# Altium PCB CONTROLLER_BASE.PcbDoc (part 3 of 7) (continued)
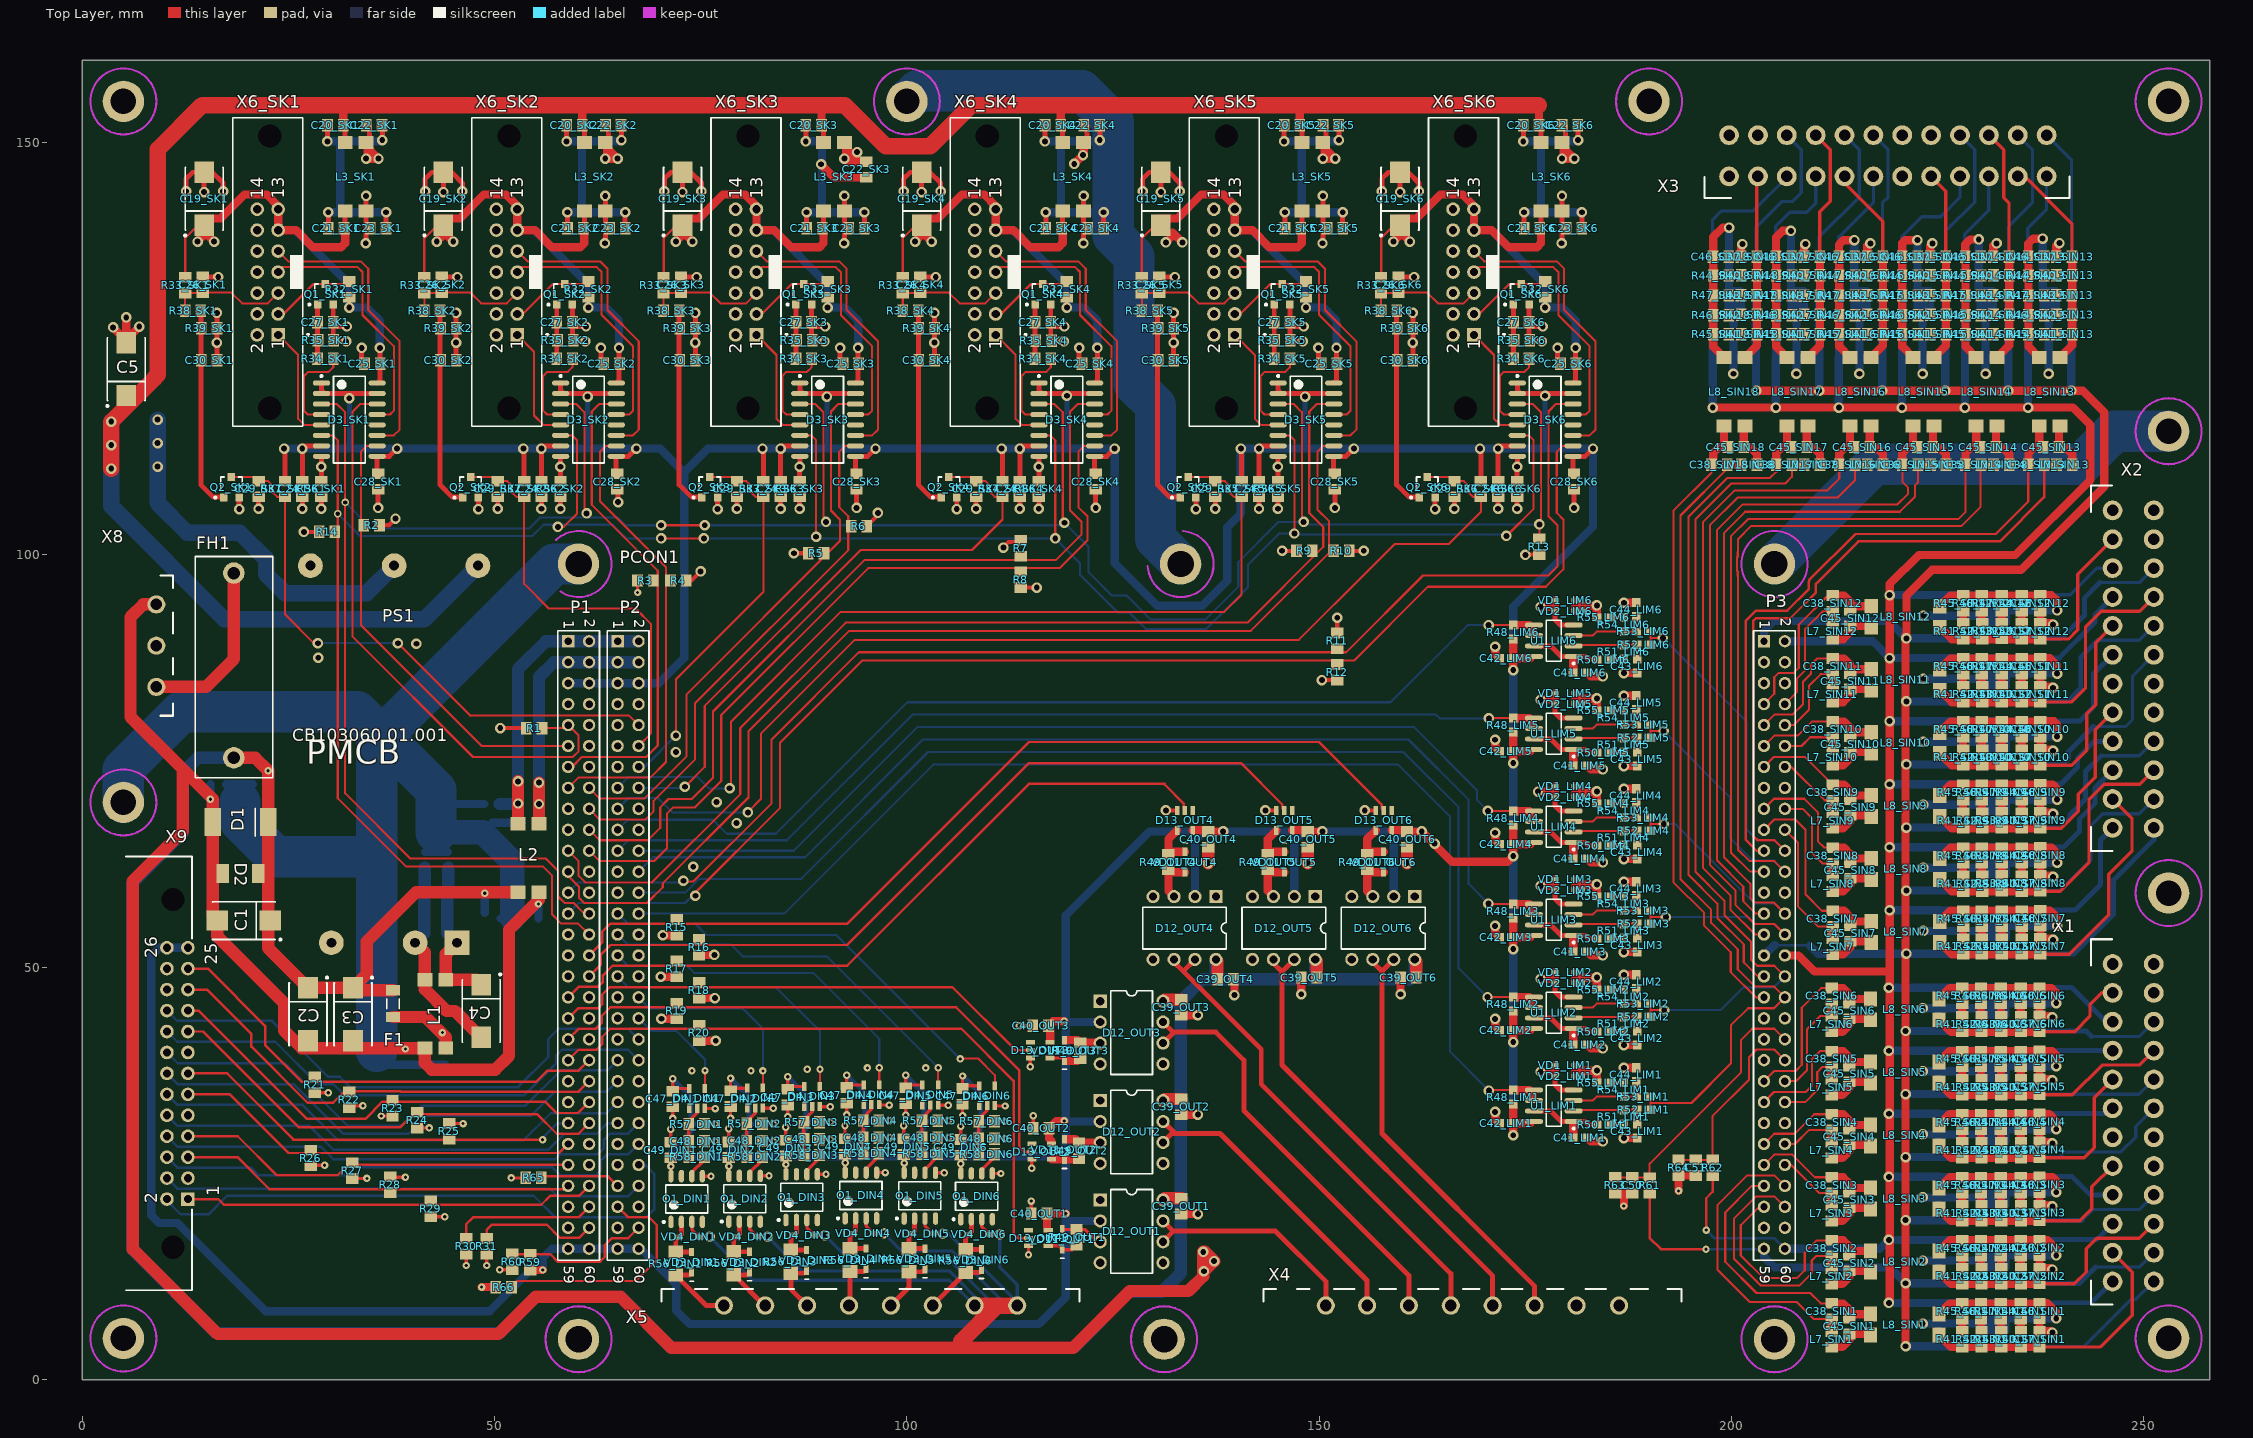
[diagram p0: Top Layer view]
## Components (designator, comment, footprint, x,y, rotation, side; value= is the part's Value field where it differs from the comment) (continued)
R51_LIM3 "Rsize" "SMD RES 0603" 186.93,54.42 r90 top (schematic designator R51)
R51_LIM4 "Rsize" "SMD RES 0603" 186.93,65.698 r90 top (schematic designator R51)
R51_LIM5 "Rsize" "SMD RES 0603" 186.93,76.976 r90 top (schematic designator R51)
R51_LIM6 "Rsize" "SMD RES 0603" 186.93,88.253 r90 top (schematic designator R51)
R52_LIM1 "Rsize" "SMD RES 0603" 189.369,32.729 r0 top (schematic designator R52)
R52_LIM2 "Rsize" "SMD RES 0603" 189.369,44.006 r0 top (schematic designator R52)
R52_LIM3 "Rsize" "SMD RES 0603" 189.369,55.284 r0 top (schematic designator R52)
R52_LIM4 "Rsize" "SMD RES 0603" 189.369,66.562 r0 top (schematic designator R52)
R52_LIM5 "Rsize" "SMD RES 0603" 189.369,77.839 r0 top (schematic designator R52)
R52_LIM6 "Rsize" "SMD RES 0603" 189.369,89.117 r0 top (schematic designator R52)
R53_LIM1 "Rsize" "SMD RES 0603" 189.318,34.329 r180 top (schematic designator R53)
R53_LIM2 "Rsize" "SMD RES 0603" 189.318,45.607 r180 top (schematic designator R53)
R53_LIM3 "Rsize" "SMD RES 0603" 189.318,56.884 r180 top (schematic designator R53)
R53_LIM4 "Rsize" "SMD RES 0603" 189.318,68.162 r180 top (schematic designator R53)
R53_LIM5 "Rsize" "SMD RES 0603" 189.318,79.439 r180 top (schematic designator R53)
R53_LIM6 "Rsize" "SMD RES 0603" 189.318,90.717 r180 top (schematic designator R53)
R54_LIM1 "Rsize" "SMD RES 0603" 186.956,35.167 r90 top (schematic designator R54)
R54_LIM2 "Rsize" "SMD RES 0603" 186.956,46.445 r90 top (schematic designator R54)
R54_LIM3 "Rsize" "SMD RES 0603" 186.956,57.722 r90 top (schematic designator R54)
R54_LIM4 "Rsize" "SMD RES 0603" 186.956,69 r90 top (schematic designator R54)
R54_LIM5 "Rsize" "SMD RES 0603" 186.956,80.278 r90 top (schematic designator R54)
R54_LIM6 "Rsize" "SMD RES 0603" 186.956,91.555 r90 top (schematic designator R54)
R55_LIM1 "Rsize" "SMD RES 0603" 184.517,36.031 r180 top (schematic designator R55)
R55_LIM2 "Rsize" "SMD RES 0603" 184.517,47.308 r180 top (schematic designator R55)
R55_LIM3 "Rsize" "SMD RES 0603" 184.517,58.586 r180 top (schematic designator R55)
R55_LIM4 "Rsize" "SMD RES 0603" 184.517,69.864 r180 top (schematic designator R55)
R55_LIM5 "Rsize" "SMD RES 0603" 184.517,81.141 r180 top (schematic designator R55)
R55_LIM6 "Rsize" "SMD RES 0603" 184.517,92.419 r180 top (schematic designator R55)
R56_DIN1 "Rsize" "SMD RES 1206" 71.984,14.077 r270 top (schematic designator R56)
R56_DIN2 "Rsize" "SMD RES 1206" 79.012,14.11 r270 top (schematic designator R56)
R56_DIN3 "Rsize" "SMD RES 1206" 85.928,14.306 r270 top (schematic designator R56)
R56_DIN4 "Rsize" "SMD RES 1206" 93.111,14.503 r270 top (schematic designator R56)
R56_DIN5 "Rsize" "SMD RES 1206" 100.254,14.483 r270 top (schematic designator R56)
R56_DIN6 "Rsize" "SMD RES 1206" 107.137,14.396 r270 top (schematic designator R56)
R57_DIN1 "Rsize" "SMD RES 0805" 74.524,30.993 r180 top (schematic designator R57)
R57_DIN2 "Rsize" "SMD RES 0805" 81.552,31.026 r180 top (schematic designator R57)
R57_DIN3 "Rsize" "SMD RES 0805" 88.468,31.222 r180 top (schematic designator R57)
R57_DIN4 "Rsize" "SMD RES 0805" 95.651,31.42 r180 top (schematic designator R57)
R57_DIN5 "Rsize" "SMD RES 0805" 102.794,31.4 r180 top (schematic designator R57)
R57_DIN6 "Rsize" "SMD RES 0805" 109.677,31.313 r180 top (schematic designator R57)
R58_DIN1 "Rsize" "SMD RES 0805" 74.524,27.006 r180 top (schematic designator R58)
R58_DIN2 "Rsize" "SMD RES 0805" 81.552,27.038 r180 top (schematic designator R58)
R58_DIN3 "Rsize" "SMD RES 0805" 88.468,27.234 r180 top (schematic designator R58)
R58_DIN4 "Rsize" "SMD RES 0805" 95.651,27.432 r180 top (schematic designator R58)
R58_DIN5 "Rsize" "SMD RES 0805" 102.794,27.412 r180 top (schematic designator R58)
R58_DIN6 "Rsize" "SMD RES 0805" 109.677,27.325 r180 top (schematic designator R58)
R59 "Rsize" "SMD RES 0805" 54.331,14.249 r270 top
R60 "Rsize" "SMD RES 0805" 52.146,14.275 r90 top
R61 "Rsize" "SMD RES 0805" 190.068,23.546 r270 top
R62 "Rsize" "SMD RES 0805" 197.714,25.705 r270 top
R63 "Rsize" "SMD RES 0805" 185.903,23.597 r270 top
R64 "Rsize" "SMD RES 0805" 193.573,25.705 r270 top
R65 "Rsize" "SMD RES 0805" 54.737,24.46 r180 top
R66 "Rsize" "SMD RES 0805" 51.105,11.227 r180 top
U1_LIM1 "MC33161D" 751-05_N 178.447,33.211 r180 top (schematic designator U1)
U1_LIM2 "MC33161D" 751-05_N 178.447,44.489 r180 top (schematic designator U1)
U1_LIM3 "MC33161D" 751-05_N 178.447,55.767 r180 top (schematic designator U1)
U1_LIM4 "MC33161D" 751-05_N 178.447,67.044 r180 top (schematic designator U1)
U1_LIM5 "MC33161D" 751-05_N 178.447,78.322 r180 top (schematic designator U1)
U1_LIM6 "MC33161D" 751-05_N 178.447,89.599 r180 top (schematic designator U1)
VD1_LIM1 "Shottky Diod" BAT-2pin 179.844,38.114 r180 top (schematic designator VD1)
VD1_LIM2 "Shottky Diod" BAT-2pin 179.844,49.391 r180 top (schematic designator VD1)
VD1_LIM3 "Shottky Diod" BAT-2pin 179.844,60.669 r180 top (schematic designator VD1)
VD1_LIM4 "Shottky Diod" BAT-2pin 179.844,71.946 r180 top (schematic designator VD1)
VD1_LIM5 "Shottky Diod" BAT-2pin 179.844,83.224 r180 top (schematic designator VD1)
VD1_LIM6 "Shottky Diod" BAT-2pin 179.844,94.502 r180 top (schematic designator VD1)
VD2_LIM1 "Shottky Diod" BAT-2pin 179.844,36.793 r0 top (schematic designator VD2)
VD2_LIM2 "Shottky Diod" BAT-2pin 179.844,48.07 r0 top (schematic designator VD2)
VD2_LIM3 "Shottky Diod" BAT-2pin 179.844,59.348 r0 top (schematic designator VD2)
VD2_LIM4 "Shottky Diod" BAT-2pin 179.844,70.626 r0 top (schematic designator VD2)
VD2_LIM5 "Shottky Diod" BAT-2pin 179.844,81.903 r0 top (schematic designator VD2)
VD2_LIM6 "Shottky Diod" BAT-2pin 179.844,93.181 r0 top (schematic designator VD2)
VD3_DIN1 "Shottky Diod" BAT-2pin 73.914,14.229 r270 top (schematic designator VD3)
VD3_DIN2 "Shottky Diod" BAT-2pin 80.943,14.262 r270 top (schematic designator VD3)
VD3_DIN3 "Shottky Diod" BAT-2pin 87.859,14.458 r270 top (schematic designator VD3)
VD3_DIN4 "Shottky Diod" BAT-2pin 95.041,14.656 r270 top (schematic designator VD3)
VD3_DIN5 "Shottky Diod" BAT-2pin 102.184,14.636 r270 top (schematic designator VD3)
VD3_DIN6 "Shottky Diod" BAT-2pin 109.068,14.549 r270 top (schematic designator VD3)
VD4_DIN1 "Shottky Diod" BAT-2pin 73.584,17.303 r180 top (schematic designator VD4)
VD4_DIN2 "Shottky Diod" BAT-2pin 80.612,17.335 r180 top (schematic designator VD4)
VD4_DIN3 "Shottky Diod" BAT-2pin 87.528,17.531 r180 top (schematic designator VD4)
VD4_DIN4 "Shottky Diod" BAT-2pin 94.711,17.729 r180 top (schematic designator VD4)
VD4_DIN5 "Shottky Diod" BAT-2pin 101.854,17.709 r180 top (schematic designator VD4)
VD4_DIN6 "Shottky Diod" BAT-2pin 108.737,17.622 r180 top (schematic designator VD4)
VD11_OUT1 "Shottky Diod" BAT-2pin 118.847,17.018 r270 top (schematic designator VD11)
VD11_OUT2 "Shottky Diod" BAT-2pin 119.101,27.889 r270 top (schematic designator VD11)
VD11_OUT3 "Shottky Diod" BAT-2pin 119.101,39.903 r270 top (schematic designator VD11)
VD11_OUT4 "Shottky Diod" BAT-2pin 133.72,62.762 r90 top (schematic designator VD11)
VD11_OUT5 "Shottky Diod" BAT-2pin 145.77,62.762 r90 top (schematic designator VD11)
VD11_OUT6 "Shottky Diod" BAT-2pin 157.82,62.762 r90 top (schematic designator VD11)
X1 "WAGOMIDI24Pin" WAGO_734_2x12 246.2,11.9 r90 top
X2 "WAGOMIDI24Pin" WAGO_734_2x12 246.2,66.9 r90 top
X3 "WAGOMIDI24Pin" WAGO_734_2x12 238.2,145.9 r180 top
X4 "MSTBA 8 pin connector" "MSTBA 2,5 8 pin" 150.8,8.992 r0 top
X5 "MSTBA 8 pin connector" "MSTBA 2,5 8 pin" 77.826,8.992 r0 top
X6_SK1 "IDC 14 pin" IDC2.54-V14A 22.5,134.3 r90 top (schematic designator X6)
X6_SK2 "IDC 14 pin" IDC2.54-V14A 51.5,134.3 r90 top (schematic designator X6)
X6_SK3 "IDC 14 pin" IDC2.54-V14A 80.5,134.3 r90 top (schematic designator X6)
X6_SK4 "IDC 14 pin" IDC2.54-V14A 109.5,134.3 r90 top (schematic designator X6)
X6_SK5 "IDC 14 pin" IDC2.54-V14A 138.5,134.3 r90 top (schematic designator X6)
X6_SK6 "IDC 14 pin" IDC2.54-V14A 167.5,134.3 r90 top (schematic designator X6)
X8 "MSTBA 3 pin connector" "MSTBA 2,5 3pin" 9,94 r270 top
X9 "IDC 26pin" IDC2.54-H26 11.557,37.135 r90 top

## Footprints (in the part's own frame and the unit in brackets; to place one, negate y for a bottom-side part, rotate by r counter-clockwise, add the part's x,y. Pads: shape width x height; smd on the part's side, far side on the other; paste and mask are expansions set on the pad)
318-08 [mm] "SOT-23; 3 Leads; Body 3.0 x 2.6 mm, inc. leads (LxW max)"
  rect 0.9x0.95 smd: 1(-0.95,-1.25) 2(0.95,-1.25) 3(0,1.25)
  silkscreen extent -2.07,-1.37 1.3,1.25
751-05_N [mm] "SOIC, 8-Leads, Body 4.9x3.9mm, Pitch 1.27mm, IPC Medium Density"
  oval 2.2x0.6 smd: 1(-2.4,1.905) 2(-2.4,0.635) 3(-2.4,-0.635) 4(-2.4,-1.905) 5(2.4,-1.905) 6(2.4,-0.635) 7(2.4,0.635) 8(2.4,1.905)
  silkscreen extent -2.53,-2.5 0.9,2.88, body extent -1.95,-2.45 1.95,2.45, height 1.75
BAT-2pin [mm]
  rect 1x0.6 smd: 1(-1.25,0) 2(1.25,0)
  silkscreen extent 2.29,-0.25 2.29,0.25, body extent -1.5,-0.4 1.4,0.4, height 0.5
D [mm] "Capacitor, SM Tantalum; Body 7.3 x 4.3 mm (LxW typ)"
  rect 2.6x2.4 smd: 1(-3.2,0) 2(3.2,0)
  silkscreen extent -4.58,-2.3 3.8,2.42, body extent -3.8,-2.3 3.8,2.3, height 3.15
"EMIF CPFC74NP" [mm]
  rect 1.6x1.8 smd: 1(0,0) 2(0,2.54) 3(8.3,2.54) 4(8.3,0)
  body extent -0.5,-1.45 8.5,4.05, height 5
"FuseHolder 6.3A 220V" [mm]
  round 2.6 hole 1.5: 1(0,0) 2(22.4,0)
  silkscreen extent -2.01,-4.7 24.82,4.7, body extent -1.52,-4.83 23.88,4.83, height 10.8
IDC2.54-H26 [mm] "Connector; IDC, Thru-Hole; 26 Position; Right Angle; Pitch 2.54 mm; Body 52.60 x 8.5 x 25.75 mm (LxHxW), Locking levers"
  rect 1.65x1.65 hole 1: 1(-15.24,-1.27)
  round 1.65 hole 1: 2(-15.24,1.27) 3(-12.7,-1.27) 4(-12.7,1.27) 5(-10.16,-1.27) 6(-10.16,1.27) 7(-7.62,-1.27) 8(-7.62,1.27) 9(-5.08,-1.27) 10(-5.08,1.27) 11(-2.54,-1.27) 12(-2.54,1.27) 13(0,-1.27) 14(0,1.27) 15(2.54,-1.27) 16(2.54,1.27) 17(5.08,-1.27) 18(5.08,1.27) 19(7.62,-1.27) 20(7.62,1.27) 21(10.16,-1.27) 22(10.16,1.27) 23(12.7,-1.27) 24(12.7,1.27) 25(15.24,-1.27) 26(15.24,1.27)
  round 2.5 hole 2.8 unplated: MH1(-21.08,0.53) MH2(21.08,0.53)
  silkscreen extent -26.3,-1.77 26.3,6.23, body extent -26.3,-1.77 26.3,15.54, height 8.5
IDC2.54-V14A [mm] "Connector; IDC, Thru-Hole; 14 Position; Vertical; Pitch 2.54 mm; Body 37.40 x 8.5 x 17.30 mm (LxWxH), Without locking levers"
  rect 1.65x1.65 hole 1: 1(-7.62,-1.27)
  round 1.65 hole 1: 2(-7.62,1.27) 3(-5.08,-1.27) 4(-5.08,1.27) 5(-2.54,-1.27) 6(-2.54,1.27) 7(0,-1.27) 8(0,1.27) 9(2.54,-1.27) 10(2.54,1.27) 11(5.08,-1.27) 12(5.08,1.27) 13(7.62,-1.27) 14(7.62,1.27)
  round 2.5 hole 2.8 unplated: MH1(-16.51,-0.25) MH2(16.51,-0.25)
  silkscreen extent -18.7,-5.02 18.7,4.25, body extent -18.7,-4.25 18.7,4.25, height 17.3
"MSTBA 2,5 3pin" [mm]
  round 2.2 hole 1.4: 1(0,0) 2(5,0) 3(10,0)
  silkscreen extent -3.5,0.5 13.5,2, body extent -5.55,-9.93 15.51,2.07, height 8.6
"MSTBA 2,5 8 pin" [mm] "8 pin contactor MSTBA"
  round 2.2 hole 1.4: 1(0,0) 2(5,0) 3(10.08,0) 4(15.16,0) 5(20.24,0) 6(25.32,0) 7(30.4,0) 8(35.56,0)
  silkscreen extent -7.56,0.5 43.12,2, body extent -7.62,-9.97 43.13,2.03, height 8.79
"PCON MINI" [mm] "PowerCon installation pad"
  round 5 hole 3.2: 0(0,0) 0(0,94) 0(71,0) 0(73,94) 0(145,0) 0(145,94)
  rect 1.5x1.5 hole 0.9: P1_1(-1.27,84.634) P2_1(4.73,84.634) P3_1(143.73,84.634)
  round 1.5 hole 0.9: P1_2(1.27,84.634) P1_3(-1.27,82.094) P1_4(1.27,82.094) P1_5(-1.27,79.554) P1_6(1.27,79.554) P1_7(-1.27,77.014) P1_8(1.27,77.014) P1_9(-1.27,74.474) P1_10(1.27,74.474) P1_11(-1.27,71.934) P1_12(1.27,71.934) P1_13(-1.27,69.394) P1_14(1.27,69.394) P1_15(-1.27,66.854) P1_16(1.27,66.854) P1_17(-1.27,64.314) P1_18(1.27,64.314) P1_19(-1.27,61.774) P1_20(1.27,61.774) P1_21(-1.27,59.234) P1_22(1.27,59.234) P1_23(-1.27,56.694) P1_24(1.27,56.694) P1_25(-1.27,54.154) P1_26(1.27,54.154) P1_27(-1.27,51.614) P1_28(1.27,51.614) P1_29(-1.27,49.074) P1_30(1.27,49.074) P1_31(-1.27,46.534) P1_32(1.27,46.534) P1_33(-1.27,43.994) P1_34(1.27,43.994) P1_35(-1.27,41.454) P1_36(1.27,41.454) P1_37(-1.27,38.914) P1_38(1.27,38.914) P1_39(-1.27,36.374) P1_40(1.27,36.374) P1_41(-1.27,33.834) P1_42(1.27,33.834) P1_43(-1.27,31.294) P1_44(1.27,31.294) P1_45(-1.27,28.754) P1_46(1.27,28.754) P1_47(-1.27,26.214) P1_48(1.27,26.214) P1_49(-1.27,23.674) P1_50(1.27,23.674) P1_51(-1.27,21.134) P1_52(1.27,21.134) P1_53(-1.27,18.594) P1_54(1.27,18.594) P1_55(-1.27,16.054) P1_56(1.27,16.054) P1_57(-1.27,13.514) P1_58(1.27,13.514) P1_59(-1.27,10.974) P1_60(1.27,10.974) P2_2(7.27,84.634) P2_3(4.73,82.094) P2_4(7.27,82.094) P2_5(4.73,79.554) P2_6(7.27,79.554) P2_7(4.73,77.014) P2_8(7.27,77.014) P2_9(4.73,74.474) P2_10(7.27,74.474) P2_11(4.73,71.934) P2_12(7.27,71.934) P2_13(4.73,69.394) P2_14(7.27,69.394) P2_15(4.73,66.854) P2_16(7.27,66.854) P2_17(4.73,64.314) P2_18(7.27,64.314) P2_19(4.73,61.774) P2_20(7.27,61.774) P2_21(4.73,59.234) P2_22(7.27,59.234) P2_23(4.73,56.694) P2_24(7.27,56.694) P2_25(4.73,54.154) P2_26(7.27,54.154) P2_27(4.73,51.614) P2_28(7.27,51.614) P2_29(4.73,49.074) P2_30(7.27,49.074) P2_31(4.73,46.534) P2_32(7.27,46.534) P2_33(4.73,43.994) P2_34(7.27,43.994) P2_35(4.73,41.454) P2_36(7.27,41.454) P2_37(4.73,38.914) P2_38(7.27,38.914) P2_39(4.73,36.374) P2_40(7.27,36.374) P2_41(4.73,33.834) P2_42(7.27,33.834) P2_43(4.73,31.294) P2_44(7.27,31.294) P2_45(4.73,28.754) P2_46(7.27,28.754) P2_47(4.73,26.214) P2_48(7.27,26.214) P2_49(4.73,23.674) P2_50(7.27,23.674) P2_51(4.73,21.134) P2_52(7.27,21.134) P2_53(4.73,18.594) P2_54(7.27,18.594) P2_55(4.73,16.054) P2_56(7.27,16.054) P2_57(4.73,13.514) P2_58(7.27,13.514) P2_59(4.73,10.974) P2_60(7.27,10.974) P3_2(146.27,84.634) P3_3(143.73,82.094) P3_4(146.27,82.094) P3_5(143.73,79.554) P3_6(146.27,79.554) P3_7(143.73,77.014) P3_8(146.27,77.014) P3_9(143.73,74.474) P3_10(146.27,74.474) P3_11(143.73,71.934) P3_12(146.27,71.934) P3_13(143.73,69.394) P3_14(146.27,69.394) P3_15(143.73,66.854) P3_16(146.27,66.854) P3_17(143.73,64.314) P3_18(146.27,64.314) P3_19(143.73,61.774) P3_20(146.27,61.774) P3_21(143.73,59.234) P3_22(146.27,59.234) P3_23(143.73,56.694) P3_24(146.27,56.694) P3_25(143.73,54.154) P3_26(146.27,54.154) P3_27(143.73,51.614) P3_28(146.27,51.614) P3_29(143.73,49.074) P3_30(146.27,49.074) P3_31(143.73,46.534) P3_32(146.27,46.534) P3_33(143.73,43.994) P3_34(146.27,43.994) P3_35(143.73,41.454) P3_36(146.27,41.454) P3_37(143.73,38.914) P3_38(146.27,38.914) P3_39(143.73,36.374) P3_40(146.27,36.374) P3_41(143.73,33.834) P3_42(146.27,33.834) P3_43(143.73,31.294) P3_44(146.27,31.294) P3_45(143.73,28.754) P3_46(146.27,28.754) P3_47(143.73,26.214) P3_48(146.27,26.214) P3_49(143.73,23.674) P3_50(146.27,23.674) P3_51(143.73,21.134) P3_52(146.27,21.134) P3_53(143.73,18.594) P3_54(146.27,18.594) P3_55(143.73,16.054) P3_56(146.27,16.054) P3_57(143.73,13.514) P3_58(146.27,13.514) P3_59(143.73,10.974) P3_60(146.27,10.974)
  silkscreen extent -2.54,9.57 147.54,85.9, body extent -5,-7.89 150,99, height 33.97
R1206 [mm] "Chip Resistor, 2-Leads, Body 3,1x1,6mm, IPC Medium Density"
  rect 1.25x1.75 smd: 1(-1.625,0) 2(1.625,0)
  silkscreen extent -0.6,-0.77 0.6,0.77, body extent -1.6,-0.85 1.6,0.85, height 0.55
"SMB TVS" [mm]
  rect 1.52x2.3 smd: 1(-2.135,0) 2(2.135,0)
  body extent -2.7,-1.8 2.7,1.8, height 2.3
"SMC DIODE" [mm]
  rect 2x3.4 smd: A(-3.35,0) K(3.35,0)
  silkscreen extent 1.8,-1.7 1.8,1.7, body extent -3.5,-3.1 3.6,3.1, height 2.63
"SMD CAP 0603" [mm] "Chip Capacitor; Body 1.6 x 0.8 mm (LxW typ)"
  rect 1.1x1 smd: 1(-0.85,0) 2(0.85,0)
  body extent -0.83,-0.43 0.83,0.43, height 0.47
"SMD CAP 0805" [mm] "Chip Capacitor; Body 2.0 x 1.2 mm (LxW typ)"
  rect 1.3x1.5 smd: 1(-0.95,0) 2(0.95,0)
  body extent -1.2,-0.65 1.2,0.65, height 0.9
"SMD CAP 1206" [mm] "Chip Capacitor; Body 3.2 x 1.6 mm (LxW typ)"
  rect 1.6x1.8 smd: 1(-1.4,0) 2(1.4,0)
  body extent -1.55,-0.8 1.55,0.8, height 0.55
"SMD IND 0805" [mm] "Chip Capacitor; Body 2.0 x 1.2 mm (LxW typ)"
  rect 1.3x1.5 smd: 1(-0.95,0) 2(0.95,0)
  body extent -1,-0.76 1,0.75, height 1.7
"SMD RES 0603" [mm] "Chip Capacitor; Body 1.6 x 0.8 mm (LxW typ)"
  rect 1.1x1 smd: 1(-0.85,0) 2(0.85,0)
  body extent -0.81,-0.41 0.81,0.41, height 0.47
"SMD RES 0805" [mm] "Chip Capacitor; Body 2.0 x 1.2 mm (LxW typ)"
  rect 1.3x1.5 smd: 1(-0.95,0) 2(0.95,0)
  body extent -1,-0.6 1,0.7, height 0.5
"SMD RES 1206" [mm] "Chip Capacitor; Body 3.2 x 1.6 mm (LxW typ)"
  rect 1.6x1.8 smd: 1(-1.4,0) 2(1.4,0)
  body extent -1.55,-0.8 1.55,0.8, height 0.55
SOIC127P590X363-8N [mm] "HCPL0453 SOIC, 8-Leads, Body 4,88x3,91mm, Pitch 1,27mm, IPC Medium Density"
  oval 1.52x0.65 smd: 1(0,0) 2(0,-1.27) 3(0,-2.54) 4(0,-3.81) 5(5.55,-3.81) 6(5.55,-2.54) 7(5.55,-1.27) 8(5.55,0)
  silkscreen extent -0.12,-4.45 4.47,1, body extent 0.67,-4.45 4.87,0.64, height 3.63
SOIC127P780X120-16N [mm] "SOIC, 16-Leads, Body 10,5x5,6mm (max), Pitch 1,27mm, IPC Medium Density"
  oval 2.1x0.6 smd: 1(-3.375,4.445) 2(-3.375,3.175) 3(-3.375,1.905) 4(-3.375,0.635) 5(-3.375,-0.635) 6(-3.375,-1.905) 7(-3.375,-3.175) 8(-3.375,-4.445) 9(3.375,-4.445) 10(3.375,-3.175) 11(3.375,-1.905) 12(3.375,-0.635) 13(3.375,0.635) 14(3.375,1.905) 15(3.375,3.175) 16(3.375,4.445)
  silkscreen extent -3.5,-5.25 1.92,5.42, body extent -2.8,-5.25 2.8,5.25, height 1.2
TEN30 [mm]
  rect 3x3 hole 1.2: 1(2.54,45.72)
  round 3 hole 1.2: 2(7.62,45.72) 3(17.78,45.72) 4(0,0) 5(10.16,0) 6(20.32,0)
  body extent -2.54,-2.54 22.86,48.26, height 10.17
"TI-SOT23 SOT95P280X145-5N" [mm] "SOT23, 5-Leads, Body 3,0x3,0mm (max), Pitch 0,95mm, IPC Medium Density"
  rect 1.1x0.55 smd: 1(-1.2,0.95) 2(-1.2,0) 3(-1.2,-0.95) 4(1.2,-0.95) 5(1.2,0.95)
  body extent -0.87,-1.52 0.87,1.53, height 1.45
TLP250 [mm]
  rect 1.6x1.6 hole 1: 1(-3.81,3.81)
  round 1.6 hole 1: 2(-3.81,1.27) 3(-3.81,-1.27) 4(-3.81,-3.81) 5(3.81,-3.81) 6(3.81,-1.27) 7(3.81,1.27) 8(3.81,3.81)
  silkscreen extent -2.54,-5.08 2.54,5.08, body extent -3,-5.18 3,5.07, height 3.6
WAGO_734_2x12 [mm]
  round 2.4 hole 1.4: 1(0,0) 2(0,-5) 3(3.5,0) 4(3.5,-5) 5(7,0) 6(7,-5) 7(10.5,0) 8(10.5,-5) 9(14,0) 10(14,-5) 11(17.5,0) 12(17.5,-5) 13(21,0) 14(21,-5) 15(24.5,0) 16(24.5,-5) 17(28,0) 18(28,-5) 19(31.5,0) 20(31.5,-5) 21(35,0) 22(35,-5) 23(38.5,0) 24(38.5,-5)
  silkscreen extent -2.8,0 41.5,2.6, body extent -2.82,-14.3 41.58,7.5, height 23

## Part data
C1 C2 C3 C4 C5 C19_SK1 C19_SK2 C19_SK3 C19_SK4 C19_SK5 C19_SK6: library part C
C6 C7 C8 C9 C10 C11 C12 C13 C14 C15 C16 C17 C18 C20_SK1 C20_SK2 C20_SK3 C20_SK4 C20_SK5 C20_SK6 C21_SK1 C21_SK2 C21_SK3 C21_SK4 C21_SK5 C21_SK6 C22_SK1 C22_SK2 C22_SK3 C22_SK4 C22_SK5 C22_SK6 C23_SK1 C23_SK2 C23_SK3 C23_SK4 C23_SK5 C23_SK6 C24_SK1 C24_SK2 C24_SK3 C24_SK4 C24_SK5 C24_SK6 C25_SK1 C25_SK2 C25_SK3 C25_SK4 C25_SK5 C25_SK6 C26_SK1 C26_SK2 C26_SK3 C26_SK4 C26_SK5 C26_SK6 C27_SK1 C27_SK2 C27_SK3 C27_SK4 C27_SK5 C27_SK6 C28_SK1 C28_SK2 C28_SK3 C28_SK4 C28_SK5 C28_SK6 C29_SK1 C29_SK2 C29_SK3 C29_SK4 C29_SK5 C29_SK6 C30_SK1 C30_SK2 C30_SK3 C30_SK4 C30_SK5 C30_SK6 C31_SIN1 C31_SIN2 C31_SIN3 C31_SIN4 C31_SIN5 C31_SIN6 C31_SIN7 C31_SIN8 C31_SIN9 C31_SIN10 C31_SIN11 C31_SIN12 C31_SIN13 C31_SIN14 C31_SIN15 C31_SIN16 C31_SIN17 C31_SIN18 C32_SIN1 C32_SIN2 C32_SIN3 C32_SIN4 C32_SIN5 C32_SIN6 C32_SIN7 C32_SIN8 C32_SIN9 C32_SIN10 C32_SIN11 C32_SIN12 C32_SIN13 C32_SIN14 C32_SIN15 C32_SIN16 C32_SIN17 C32_SIN18 C33_SIN1 C33_SIN2 C33_SIN3 C33_SIN4 C33_SIN5 C33_SIN6 C33_SIN7 C33_SIN8 C33_SIN9 C33_SIN10 C33_SIN11 C33_SIN12 C33_SIN13 C33_SIN14 C33_SIN15 C33_SIN16 C33_SIN17 C33_SIN18 C34_SIN1 C34_SIN2 C34_SIN3 C34_SIN4 C34_SIN5 C34_SIN6 C34_SIN7 C34_SIN8 C34_SIN9 C34_SIN10 C34_SIN11 C34_SIN12 C34_SIN13 C34_SIN14 C34_SIN15 C34_SIN16 C34_SIN17 C34_SIN18 C35_SIN1 C35_SIN2 C35_SIN3 C35_SIN4 C35_SIN5 C35_SIN6 C35_SIN7 C35_SIN8 C35_SIN9 C35_SIN10 C35_SIN11 C35_SIN12 C35_SIN13 C35_SIN14 C35_SIN15 C35_SIN16 C35_SIN17 C35_SIN18 C36_SIN1 C36_SIN2 C36_SIN3 C36_SIN4 C36_SIN5 C36_SIN6 C36_SIN7 C36_SIN8 C36_SIN9 C36_SIN10 C36_SIN11 C36_SIN12 C36_SIN13 C36_SIN14 C36_SIN15 C36_SIN16 C36_SIN17 C36_SIN18 C37_SIN1 C37_SIN2 C37_SIN3 C37_SIN4 C37_SIN5 C37_SIN6 C37_SIN7 C37_SIN8 C37_SIN9 C37_SIN10 C37_SIN11 C37_SIN12 C37_SIN13 C37_SIN14 C37_SIN15 C37_SIN16 C37_SIN17 C37_SIN18 C38_SIN1 C38_SIN2 C38_SIN3 C38_SIN4 C38_SIN5 C38_SIN6 C38_SIN7 C38_SIN8 C38_SIN9 C38_SIN10 C38_SIN11 C38_SIN12 C38_SIN13 C38_SIN14 C38_SIN15 C38_SIN16 C38_SIN17 C38_SIN18 C39_OUT1 C39_OUT2 C39_OUT3 C39_OUT4 C39_OUT5 C39_OUT6 C40_OUT1 C40_OUT2 C40_OUT3 C40_OUT4 C40_OUT5 C40_OUT6 C41_LIM1 C41_LIM2 C41_LIM3 C41_LIM4 C41_LIM5 C41_LIM6 C42_LIM1 C42_LIM2 C42_LIM3 C42_LIM4 C42_LIM5 C42_LIM6 C43_LIM1 C43_LIM2 C43_LIM3 C43_LIM4 C43_LIM5 C43_LIM6 C44_LIM1 C44_LIM2 C44_LIM3 C44_LIM4 C44_LIM5 C44_LIM6 C45_SIN1 C45_SIN2 C45_SIN3 C45_SIN4 C45_SIN5 C45_SIN6 C45_SIN7 C45_SIN8 C45_SIN9 C45_SIN10 C45_SIN11 C45_SIN12 C45_SIN13 C45_SIN14 C45_SIN15 C45_SIN16 C45_SIN17 C45_SIN18 C46_SIN1 C46_SIN2 C46_SIN3 C46_SIN4 C46_SIN5 C46_SIN6 C46_SIN7 C46_SIN8 C46_SIN9 C46_SIN10 C46_SIN11 C46_SIN12 C46_SIN13 C46_SIN14 C46_SIN15 C46_SIN16 C46_SIN17 C46_SIN18 C47_DIN1 C47_DIN2 C47_DIN3 C47_DIN4 C47_DIN5 C47_DIN6 C48_DIN1 C48_DIN2 C48_DIN3 C48_DIN4 C48_DIN5 C48_DIN6 C49_DIN1 C49_DIN2 C49_DIN3 C49_DIN4 C49_DIN5 C49_DIN6 C50 C51: library part ChipCapacitor
D2: library part "SMB TVS BiDir"
D3_SK1 D3_SK2 D3_SK3 D3_SK4 D3_SK5 D3_SK6: library part CD40109B
D4_DIN1 D4_DIN2 D4_DIN3 D4_DIN4 D4_DIN5 D4_DIN6 D13_OUT1 D13_OUT2 D13_OUT3 D13_OUT4 D13_OUT5 D13_OUT6: library part "SN74AHC1G14 (INV SH-TRG)"
L1 L2 L3_SK1 L3_SK2 L3_SK3 L3_SK4 L3_SK5 L3_SK6 L8_SIN1 L8_SIN2 L8_SIN3 L8_SIN4 L8_SIN5 L8_SIN6 L8_SIN7 L8_SIN8 L8_SIN9 L8_SIN10 L8_SIN11 L8_SIN12 L8_SIN13 L8_SIN14 L8_SIN15 L8_SIN16 L8_SIN17 L8_SIN18: "CPFC74NP"
L4_SIN1 L4_SIN2 L4_SIN3 L4_SIN4 L4_SIN5 L4_SIN6 L4_SIN7 L4_SIN8 L4_SIN9 L4_SIN10 L4_SIN11 L4_SIN12 L4_SIN13 L4_SIN14 L4_SIN15 L4_SIN16 L4_SIN17 L4_SIN18 L5_SIN1 L5_SIN2 L5_SIN3 L5_SIN4 L5_SIN5 L5_SIN6 L5_SIN7 L5_SIN8 L5_SIN9 L5_SIN10 L5_SIN11 L5_SIN12 L5_SIN13 L5_SIN14 L5_SIN15 L5_SIN16 L5_SIN17 L5_SIN18 L6_SIN1 L6_SIN2 L6_SIN3 L6_SIN4 L6_SIN5 L6_SIN6 L6_SIN7 L6_SIN8 L6_SIN9 L6_SIN10 L6_SIN11 L6_SIN12 L6_SIN13 L6_SIN14 L6_SIN15 L6_SIN16 L6_SIN17 L6_SIN18 L7_SIN1 L7_SIN2 L7_SIN3 L7_SIN4 L7_SIN5 L7_SIN6 L7_SIN7 L7_SIN8 L7_SIN9 L7_SIN10 L7_SIN11 L7_SIN12 L7_SIN13 L7_SIN14 L7_SIN15 L7_SIN16 L7_SIN17 L7_SIN18: library part SMD_IND_LQM21
O1_DIN1 O1_DIN2 O1_DIN3 O1_DIN4 O1_DIN5 O1_DIN6: library part HCPL0453, "Single Channel photocoupler"
PCON1: library part PCON_MINI
PS1: library part TEN30
Q1_SK1 Q1_SK2 Q1_SK3 Q1_SK4 Q1_SK5 Q1_SK6 Q2_SK1 Q2_SK2 Q2_SK3 Q2_SK4 Q2_SK5 Q2_SK6: "General Purpose Transistor NPN Silicon"
R1 R2 R3 R4 R5 R6 R7 R8 R9 R10 R11 R12 R13 R14 R15 R16 R17 R18 R19 R20 R21 R22 R23 R24 R25 R26 R27 R28 R29 R30 R31 R32_SK1 R32_SK2 R32_SK3 R32_SK4 R32_SK5 R32_SK6 R33_SK1 R33_SK2 R33_SK3 R33_SK4 R33_SK5 R33_SK6 R34_SK1 R34_SK2 R34_SK3 R34_SK4 R34_SK5 R34_SK6 R35_SK1 R35_SK2 R35_SK3 R35_SK4 R35_SK5 R35_SK6 R36_SK1 R36_SK2 R36_SK3 R36_SK4 R36_SK5 R36_SK6 R37_SK1 R37_SK2 R37_SK3 R37_SK4 R37_SK5 R37_SK6 R38_SK1 R38_SK2 R38_SK3 R38_SK4 R38_SK5 R38_SK6 R39_SK1 R39_SK2 R39_SK3 R39_SK4 R39_SK5 R39_SK6 R40_SIN1 R40_SIN2 R40_SIN3 R40_SIN4 R40_SIN5 R40_SIN6 R40_SIN7 R40_SIN8 R40_SIN9 R40_SIN10 R40_SIN11 R40_SIN12 R40_SIN13 R40_SIN14 R40_SIN15 R40_SIN16 R40_SIN17 R40_SIN18 R41_SIN1 R41_SIN2 R41_SIN3 R41_SIN4 R41_SIN5 R41_SIN6 R41_SIN7 R41_SIN8 R41_SIN9 R41_SIN10 R41_SIN11 R41_SIN12 R41_SIN13 R41_SIN14 R41_SIN15 R41_SIN16 R41_SIN17 R41_SIN18 R42_SIN1 R42_SIN2 R42_SIN3 R42_SIN4 R42_SIN5 R42_SIN6 R42_SIN7 R42_SIN8 R42_SIN9 R42_SIN10 R42_SIN11 R42_SIN12 R42_SIN13 R42_SIN14 R42_SIN15 R42_SIN16 R42_SIN17 R42_SIN18 R43_SIN1 R43_SIN2 R43_SIN3 R43_SIN4 R43_SIN5 R43_SIN6 R43_SIN7 R43_SIN8 R43_SIN9 R43_SIN10 R43_SIN11 R43_SIN12 R43_SIN13 R43_SIN14 R43_SIN15 R43_SIN16 R43_SIN17 R43_SIN18 R44_SIN1 R44_SIN2 R44_SIN3 R44_SIN4 R44_SIN5 R44_SIN6 R44_SIN7 R44_SIN8 R44_SIN9 R44_SIN10 R44_SIN11 R44_SIN12 R44_SIN13 R44_SIN14 R44_SIN15 R44_SIN16 R44_SIN17 R44_SIN18 R45_SIN1 R45_SIN2 R45_SIN3 R45_SIN4 R45_SIN5 R45_SIN6 R45_SIN7 R45_SIN8 R45_SIN9 R45_SIN10 R45_SIN11 R45_SIN12 R45_SIN13 R45_SIN14 R45_SIN15 R45_SIN16 R45_SIN17 R45_SIN18 R46_SIN1 R46_SIN2 R46_SIN3 R46_SIN4 R46_SIN5 R46_SIN6 R46_SIN7 R46_SIN8 R46_SIN9 R46_SIN10 R46_SIN11 R46_SIN12 R46_SIN13 R46_SIN14 R46_SIN15 R46_SIN16 R46_SIN17 R46_SIN18 R47_SIN1 R47_SIN2 R47_SIN3 R47_SIN4 R47_SIN5 R47_SIN6 R47_SIN7 R47_SIN8 R47_SIN9 R47_SIN10 R47_SIN11 R47_SIN12 R47_SIN13 R47_SIN14 R47_SIN15 R47_SIN16 R47_SIN17 R47_SIN18 R48_LIM1 R48_LIM2 R48_LIM3 R48_LIM4 R48_LIM5 R48_LIM6 R49_OUT1 R49_OUT2 R49_OUT3 R49_OUT4 R49_OUT5 R49_OUT6 R50_LIM1 R50_LIM2 R50_LIM3 R50_LIM4 R50_LIM5 R50_LIM6 R51_LIM1 R51_LIM2 R51_LIM3 R51_LIM4 R51_LIM5 R51_LIM6 R52_LIM1 R52_LIM2 R52_LIM3 R52_LIM4 R52_LIM5 R52_LIM6 R53_LIM1 R53_LIM2 R53_LIM3 R53_LIM4 R53_LIM5 R53_LIM6 R54_LIM1 R54_LIM2 R54_LIM3 R54_LIM4 R54_LIM5 R54_LIM6 R55_LIM1 R55_LIM2 R55_LIM3 R55_LIM4 R55_LIM5 R55_LIM6 R56_DIN1 R56_DIN2 R56_DIN3 R56_DIN4 R56_DIN5 R56_DIN6 R57_DIN1 R57_DIN2 R57_DIN3 R57_DIN4 R57_DIN5 R57_DIN6 R58_DIN1 R58_DIN2 R58_DIN3 R58_DIN4 R58_DIN5 R58_DIN6 R59 R60 R61 R62 R63 R64 R65 R66: library part ChipResistor
U1_LIM1 U1_LIM2 U1_LIM3 U1_LIM4 U1_LIM5 U1_LIM6: "Universal Voltage Monitor"
VD1_LIM1 VD1_LIM2 VD1_LIM3 VD1_LIM4 VD1_LIM5 VD1_LIM6 VD2_LIM1 VD2_LIM2 VD2_LIM3 VD2_LIM4 VD2_LIM5 VD2_LIM6 VD3_DIN1 VD3_DIN2 VD3_DIN3 VD3_DIN4 VD3_DIN5 VD3_DIN6 VD4_DIN1 VD4_DIN2 VD4_DIN3 VD4_DIN4 VD4_DIN5 VD4_DIN6 VD11_OUT1 VD11_OUT2 VD11_OUT3 VD11_OUT4 VD11_OUT5 VD11_OUT6: library part BAT254
X1 X2 X3: library part WAGO_734_2x12
X4 X5: library part "MSTBA 8pin connector"
X8: library part "MSTBA 3pin connector"
X9: library part "IDC 26 pin vert"

## Free pads (board coordinates)
  round 5 hole 3.1: 0(5,5) 0(5,70) 0(5,155) 0(100,155) 0(190,155) 0(253,5) 0(253,59) 0(253,115) 0(253,155)

## Via types
v1: diameter 1.27, hole 0.711, Top Layer to Bottom Layer, tented both sides, 414 vias
v2: diameter 0.9, hole 0.4, Top Layer to Bottom Layer, tented both sides, 95 vias
v3: diameter 0.9, hole 0.5, Top Layer to Bottom Layer, tented both sides, 2 vias

## Nets (pads, with @x,y where several pads share a name; then routed paths per layer and width w, separated by ;. In a path a pad name is that pad's centre, name@x,y a point inside that pad or via, vN(x,y) a via of type N, cw(c..) or ccw(c..) an arc to the next point about the centre after c; other vN are vias at no path point)
5V_DIN1: D4_DIN1.4 PCON1.P2_38 | length 13.6
  Top Layer w0.254: D4_DIN1.4@75.524,35.312 v2(75.524,37.475)
  Bottom Layer w0.254: PCON1.P2_38@67.47,43.814 68.993,42.291 72.06,42.291 75.524,38.826 v2(75.524,37.475)